# Altium PCB UltraZohm_ADC.PcbDoc (part 2 of 4)
Units mil, origin at the board's own origin, x right, y up, seen from the top; angles counter-clockwise.
Board outline 6141.69 x 3937.01 mil, 4 copper layers (Top Layer, GND, VCC, Bottom Layer), stack 30.634 mil thick; 408 components, 185 nets, 1136 pads, 511 vias.
Unrouted connection lines stored in the file: 7.
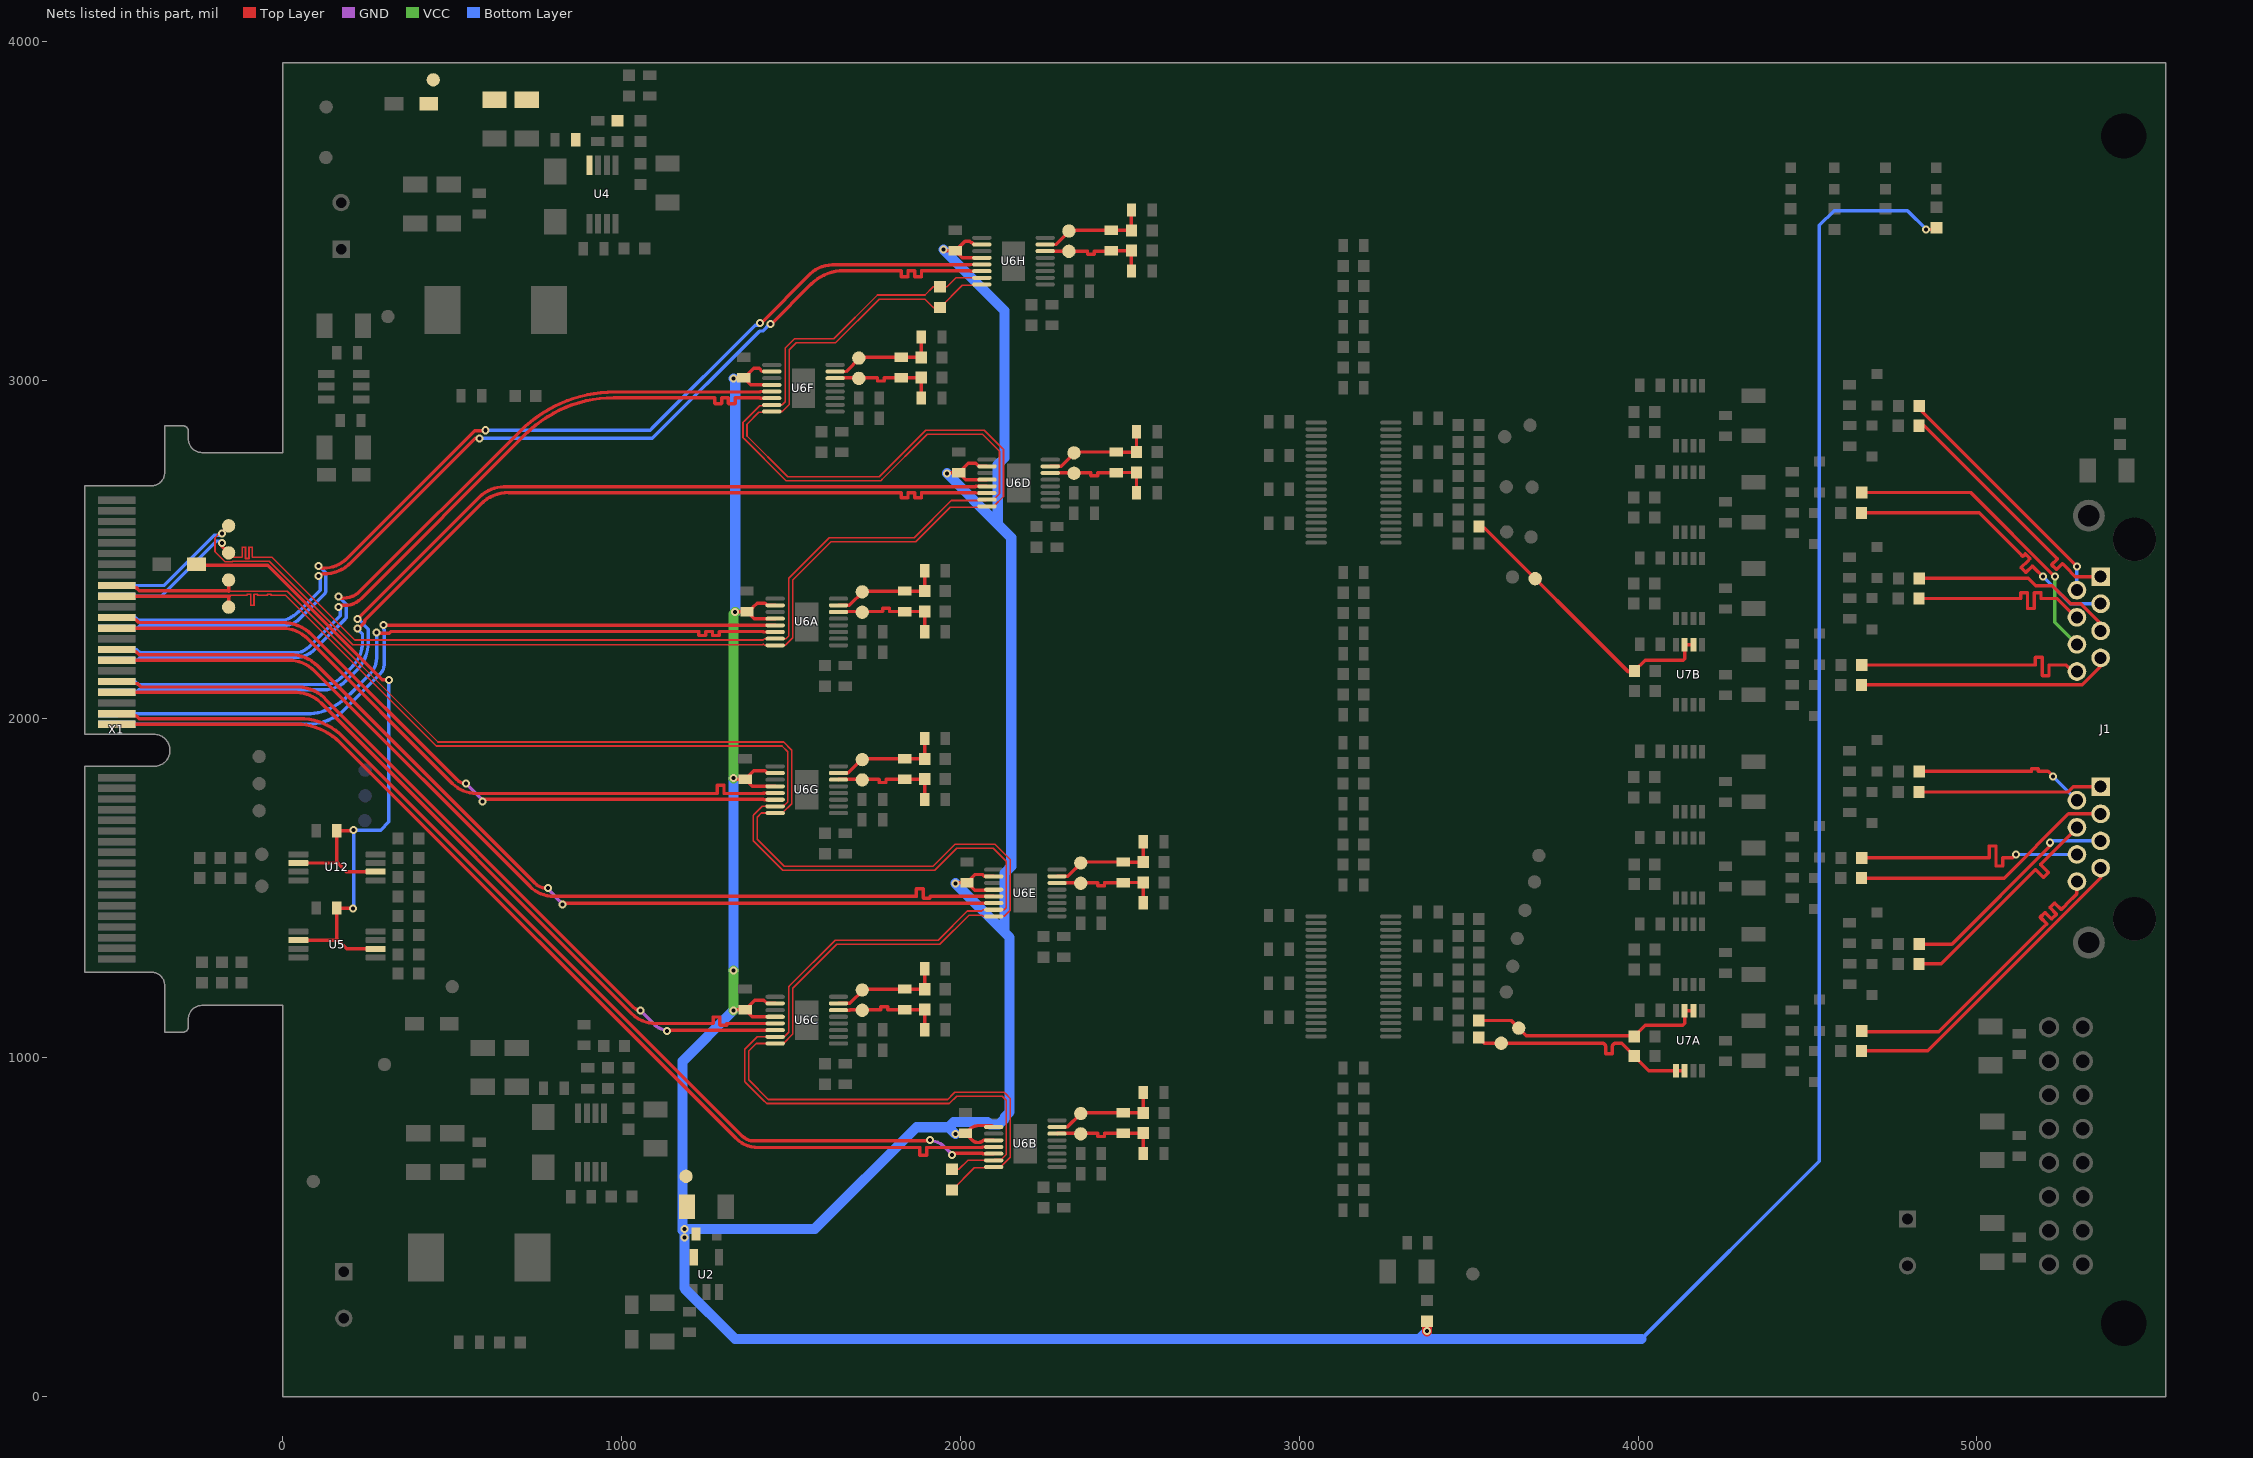
[diagram p4: the nets of this part, all layers, seen from the top]

## Footprints (in the part's own frame and the unit in brackets; to place one, negate y for a bottom-side part, rotate by r counter-clockwise, add the part's x,y. Pads: shape width x height; smd on the part's side, far side on the other; paste and mask are expansions set on the pad) (continued)
TSSOP50P510X110_HS-17N [mm] "TSSOP, 16-Leads, Body 4,03x3,00mm, Pitch 0,50mm, Thermal Pad 2,95x1,75mm, IPC Medium Density"
  oval 1.45x0.305 smd: 1(-2.375,1.75) 2(-2.375,1.25) 3(-2.375,0.75) 4(-2.375,0.25) 5(-2.375,-0.25) 6(-2.375,-0.75) 7(-2.375,-1.25) 8(-2.375,-1.75) 9(2.375,-1.75) 10(2.375,-1.25) 11(2.375,-0.75) 12(2.375,-0.25) 13(2.375,0.25) 14(2.375,0.75) 15(2.375,1.25) 16(2.375,1.75)
  rect 1.75x2.95 smd: 17(0,0)
  silkscreen extent -2.5,-2.08 1.15,2.58, body extent -1.55,-2.1 1.55,2.1, height 1.1
WCAP-ATG5_8X11.5X3.5 [mm] "Aluminum Electrolytic Capacitors, 8x11.5mm"
  rect 1.3x1.3 hole 0.8: 1(1.75,0)
  round 1.3 hole 0.8: 2(-1.75,0)
  silkscreen extent -4,-4 4,4, body extent -3.99,-4 4,4, height 11.81
WCAP-ATG5_8x11.5x3.5 [mm] "Aluminum Electrolytic Capacitors, 8x11.5mm"
  rect 1.3x1.3 hole 0.8: 1(1.75,0)
  round 1.3 hole 0.8: 2(-1.75,0)
  silkscreen extent -4,-4 4,4, body extent -3.99,-4 4,4, height 11.81
"WE-CBF_0805_HIGH CURRENT" [mm] "SMD EMI Suppression Ferrite  Bead, body 2.0mmx1.2mm"
  rect 1.4x1 smd: 1(-1.3,0) 2(1.3,0)
  silkscreen extent -2.25,-0.75 2.25,0.75, body extent -1,-0.6 1,0.6, height 0.93
"WE-CBF_0805_High Current" [mm] "SMD EMI Suppression Ferrite  Bead, body 2.0mmx1.2mm"
  rect 1.4x1 smd: 1(-1.3,0) 2(1.3,0)
  silkscreen extent -2.25,-0.75 2.25,0.75, body extent -1,-0.6 1,0.6, height 0.93
WL-SMCW_0603 [mm] "SMD Mono-color Chip LED, body 1.6x0.8mm"
  rect 0.8x0.8 smd: 1(-0.8,0) 2(0.8,0)
  silkscreen extent -1.59,-0.7 1.45,0.65, body extent -0.8,-0.4 0.8,0.4, height 0.7

## Part data
C1 C58: library part Cap_0603, Dielectric=X7R, MPN=885012206065, Package=0603, Supplier Part Number 1=710-885012206065, Voltage=25V, Supplier 1=Mouser
  C1: MF=Würth
  C58: MF="Würth Elektronik", Supplier 2=Digi-Key, Supplier Part Number 2=732-7983-1-ND
C2: library part Cap_0603, Dielectric=C0G, MPN=C0603C752J3GACTU, Package=0603, Supplier Part Number 1=80-C0603C752J3GACTU, Voltage=25V, MF=KEMET, Supplier 1=Mouser
C3 C4 C11 C15 C35 C37 C43: "Capacitor 1206", Dielectric=X5R, MPN=GRM319R6YA106KA12D, Package=1206, Supplier Part Number 1=81-GRM319R6YA106KA2D, Tolerance=10%, Voltage=35V, Created=2018_06_25_AGeiger, MF="Murata Electronics", Supplier 1=Mouser
C5 C7 C12 C13 C16 C17 C21 C22 C25 C27A C27B C27C C27D C27E C27F C27G C27H C41 C46A C46B C47A C47B C48A C48B C49A C49B C50A C50B C51A C51B C52A C52B C53A C53B C54A C54B C55A C55B C56A C56B C57A C57B C82 C83: library part Cap_0603, Dielectric=X7R, MPN=885012206071, Package=0603, Supplier Part Number 1=710-885012206071, Voltage=25V, MF=Würth, Supplier 1=Mouser
C6: "Capacitor 1206", Dielectric=C0G, MPN=GRM3195C1H273JA01D, Package=1206, Supplier Part Number 1=81-GRM315C1H273JA01D, Tolerance=5%, Voltage=50V, Created=2018_06_25_AGeiger, MF=Murata, Supplier 1=Mouser
C8 C9: "Capacitor 1206", Dielectric=X5R, MPN=GRM31CR61A476ME15L, Package=1206, Supplier Part Number 1=81-GRM31CR61A476ME5L, Tolerance=10%, Voltage=10V, Created=2018_06_25_AGeiger, MF="Murata Electronics", Supplier 1=Mouser
C10 C24 C73 C74: library part Cap_0603, Dielectric=X5R, MPN=GRT188R61H105KE13D, Package=0603, Supplier Part Number 1=81-GRT188R61H105KE3D, Voltage=50V, MF="Murata Electronics", Supplier 1=Mouser, Supplier 2=Digi-Key, Supplier Part Number 2=490-12330-1-ND
C14 C18 C26: "Capacitor 1206", Dielectric=X5R, MPN=GRM31CR61A476ME5L, Package=1206, Supplier Part Number 1=81-GRM31CR61A476ME5L, Tolerance=10%, Voltage=10V, Created=2018_06_25_AGeiger, MF="Murata Electronics", Supplier 1=Mouser
C19 C20: library part 860020574012, "WCAP-ATG5 Aluminum Electrolytic Capacitors, 8x11.5mm, 35 Vdc, 220 uF", Operating Temperature="-40 °C up to +105 °C", Supplier Part Number 1=710-860020574012, Voltage=35V, ComponentLink1Description=Manufacturer, ComponentLink1URL=http://www.we-online.de, ComponentLink2Description=Datasheet, ComponentLink2URL=http://katalog.we-online.com/pbs/datasheet/860020574012.pdf, Life Cycle=2000h, MF="Wurth Elektronik", MPN=860020574012, Part Number=860020574012, Published Date="Sep. 2017", Size=8x11.5mm, Supplier 1=Mouser
C23A C23B C75A C75B C76A C76B C77A C77B C78A C78B C79A C79B C80A C80B C81A C81B: library part Cap_0603, MPN=885012006057, Supplier Part Number 1=710-885012006057, Voltage=50V, MF="Würth Elektronik", Supplier 1=Mouser
C28A C28B C28C C28D C28E C28F C28G C28H C30A C30B C30C C30D C30E C30F C30G C30H: library part Cap_0603, Dielectric=X5R, MPN=JMK107ABJ106KA-T, Package=0603, Supplier Part Number 1=963-JMK107ABJ106KA-T, Voltage=6.3V, MF="Taiyo Yuden", Supplier 1=Mouser
C29A C29B C29C C29D C29E C29F C29G C29H: library part Cap_0603, Dielectric=X7R, MPN=LMK107B7105KA-T, Package=0603, Supplier Part Number 1=963-LMK107B7105KA-T, Voltage=10V, MF="Taiyo Yuden", Supplier 1=Mouser
C31A C31B C31C C31D C31E C31F C31G C31H C33A C33B C33C C33D C33E C33F C33G C33H: library part Cap_0603, Dielectric=C0G, MPN=VJ0603A681GXJCW1BC, Package=0603, Supplier Part Number 1=77-VJ0603A681GXJCW1BC, Voltage=16V, MF=Vishay, Supplier 1=Mouser
C32A C32B C32C C32D C32E C32F C32G C32H: library part Cap_0603, Dielectric=C0G, MPN=VJ0603A471GXJPW1BC, Package=0603, Supplier Part Number 1=77-VJ0603A471GXJPW1BC, Voltage=16V, MF=Vishay, Supplier 1=Mouser
C34A C34B C36A C36B C38A C38B C39A C39B C40A C40B C42A C42B C44A C44B C45A C45B: library part Cap_0603, Dielectric=C0G, MPN=VJ0603A560JXACW1BC, Package=0603, Supplier Part Number 1=77-VJ0603A560JXACBC, Voltage=50V, MF=Vishay, Supplier 1=Mouser
C59: library part Cap_0603, Dielectric=C0G, MPN=C0603C752J3GACTU, Package=0603, possibleValue=7.5nF, Supplier Part Number 1=80-C0603C752J3GACTU, Tolerance=5%, Voltage=25V, MF=KEMET, Supplier 1=Mouser
C60A C60B C61A C61B C62A C62B C63A C63B: library part Cap_0603, MPN=885012206071, Package=0603, Supplier Part Number 1=710-885012206071, Voltage=25V, MF=Würth, Supplier 1=Mouser
C64: "Capacitor 1206", Dielectric=C0G, MPN=885342008009, Package=1206, Supplier Part Number 1=710-885342008009, Tolerance=5%, Voltage=1000V, Created=2018_06_25_AGeiger, MF="Wurth Elektronik", Supplier 1=mouser
C65 C66: library part C_1206, "Capacitor 1206", Dielectric=X6S, MPN=GRT31CC8YA106KE01L, Package=1206, Supplier Part Number 1=81-GRT31CC8YA106KE1L, Tolerance=10%, Voltage=35V, MF="Murata Electronics", Supplier 1=Mouser
C67: library part Cap_0603, Dielectric=X7R, MPN=GMK107B7104KAHT, Package=0603, Supplier Part Number 1=963-GMK107B7104KAHT, Tolerance=10%, Voltage=35V, MF="Taiyo Yuden", Supplier 1=Mouser, Supplier 2=Digi-Key, Supplier Part Number 2=587-3354-1-ND
C68: library part Cap_0603, Dielectric=X7R, MPN=885012206071, Package=0603, Supplier Part Number 1=710-885012206071, Tolerance=10%, Voltage=25V, MF="Würth Elektronik", Supplier 1=Mouser
C69 C70: library part C_1206, "Capacitor 1206", Dielectric=X5R, MPN=GRM31CR61A476ME15L, Package=1206, Supplier Part Number 1=81-GRM31CR61A476ME5L, Tolerance=20%, Voltage=10V, MF="Murata Electronics", Supplier 1=Mouser
C71: library part 860020574012, "WCAP-ATG5 Aluminum Electrolytic Capacitors, 8x11.5mm, 35 Vdc, 220 uF", Operating Temperature="-40 °C up to +105 °C", Supplier Part Number 1=710-860020574012, Voltage="35 Vdc", ComponentLink1Description=Manufacturer, ComponentLink1URL=http://www.we-online.de, ComponentLink2Description=Datasheet, ComponentLink2URL=http://katalog.we-online.com/pbs/datasheet/860020574012.pdf, Life Cycle=2000h, MF="Würth Elektronik", MPN=860020574012, Part Number=860020574012, Size=8x11.5mm, Supplier 1=Mouser
C72: library part C_1206, "Capacitor 1206", Dielectric=C0G, MPN=GRM3195C1H273JA01D, Package=1206, possibleValue=0.027µF, Supplier Part Number 1=81-GRM315C1H273JA01D, Tolerance=5%, Voltage=50V, MF="Murata Electronics", Supplier 1=Mouser
D1 D5: "Schottky Diode", Forward Voltage=750mV, MPN=BYS12-90-E3/TR3, Package=DO-214AC, Rated Current=1.5A, Reverse Voltage=90V, Supplier Part Number 1=2889144, MF=Vishay, Supplier 1=Farnell, Supplier 2=Mouser, Supplier 3=Digi-Key, Supplier Part Number 2=625-BYS12-90-E3/TR3, Supplier Part Number 3=BYS12-90-E3/GICT-ND
D2: library part LED_Blue_0603, "WL-SMCW SMD Mono-color Chip LED Waterclear, size 0603, Blue, 3.2 V, 140°", Emitting Color=Blue, Forward Voltage="3.2 V", Package=0603, Supplier Part Number 1=2322069, ComponentLink1Description=Manufacturer, ComponentLink1URL=http://www.we-online.de, ComponentLink2Description=Datasheet, ComponentLink2URL=http://katalog.we-online.com/led/datasheet/150060BS75000.pdf, Created=2018_09_06_AGeiger, Dominant Wavelength="470 nm", Luminous Intensity="145 mcd", MF="Wuerth Elektronik", MPN=150060BS75000, Peak Wavelength="465 nm", Published Date="Sep. 2017", Size=0603, Supplier 1=Farnell, Supplier 2=Mouser, Supplier 3=Digi-Key, Supplier Part Number 2=710-150060BS75000, Supplier Part Number 3=732-4966-1-ND, Viewing Angle=140°
D3: library part LED_Green_0603, "WL-SMCW SMD Mono-color Chip LED Waterclear, size 0603, Green, 3.2 V, 140°", Emitting Color=Green, Forward Voltage="3.2 V", Package=0603, Supplier Part Number 1=2322070, ComponentLink1Description=Manufacturer, ComponentLink1URL=http://www.we-online.de, ComponentLink2Description=Datasheet, ComponentLink2URL=http://katalog.we-online.com/led/datasheet/150060GS75000.pdf, Created=2018_09_06_AGeiger, Dominant Wavelength="520 nm", Luminous Intensity="430 mcd", MF="Wuerth Elektronik", MPN=150060GS75000, Peak Wavelength="515 nm", Published Date="Sep. 2017", Size=0603, Supplier 1=Farnell, Supplier 2=Mouser, Supplier 3=Digi-Key, Supplier Part Number 2=710-150060GS75000, Supplier Part Number 3=732-4971-1-ND, Viewing Angle=140°
D4: library part LED_Red_0603, "WL-SMCW SMD Mono-color Chip LED Waterclear, size 0603, Red, 2 V, 140°", Emitting Color=Red, Forward Voltage="2 V", Package=0603, Supplier Part Number 1=2322071, ComponentLink1Description=Manufacturer, ComponentLink1URL=http://www.we-online.de, ComponentLink2Description=Datasheet, ComponentLink2URL=http://katalog.we-online.com/led/datasheet/150060RS75000.pdf, Created=2018_09_06_AGeiger, Dominant Wavelength="625 nm", Luminous Intensity="250 mcd", MF="Wuerth Elektronik", MPN=150060RS75000, Peak Wavelength="630 nm", Published Date="Sep. 2017", Size=0603, Supplier 1=Farnell, Supplier 2=Mouser, Supplier 3=Digi-Key, Supplier Part Number 2=710-150060RS75000, Supplier Part Number 3=732-4978-1-ND, Viewing Angle=140°
D6A D6B D7A D7B D8A D8B D9A D9B D10A D10B D11A D11B D12A D12B D13A D13B: library part GBLCxx, "Ultra Low Capacitance TVS Array", breakdown voltage=6.0V, MPN=GBLC05CI-LF-T7, Package=SOD-323, standoff voltage=5.0V, ComponentLink1Description=Datasheet, ComponentLink1URL=https://static6.arrow.com/aropdfconversion/cf1b73a38d87e210bfa153441e03466b149f09ba/gblci.pdf, MF="ProTek Devices", Model=GBLC05CI, Supplier 1=arrow, Supplier 2=futureelectronics
D14: library part LED_YELLOW_0603, "WL-SMCW SMD Mono-color Chip LED Waterclear, size 0603, Yellow, 2 V, 140°", Emitting Color=Yellow, Forward Voltage=2V, Package=0603, Supplier Partnumber=710-150060YS75020, MF="Wuerth Elektronik", MPN=150060YS75020, Peack Wavelength="595 nm", Supplier=Mouser
J1: "Modular Jack WR-MJ, Tab Up, Shielded, Dual Port, Righ Angle, THT, 8P8C", Contact Resistance="20 mOhm", Operating Temperature="-40 to 85 degC", Rated Current="1.5 A", Supplier Part Number 1=523-RJHSE-5380-02, Withstanding Voltage="1000 VAC", Working Voltage="120 VAC", Compliance="Lead free / RoHS", ComponentLink1Description=Manufacturer, ComponentLink1URL=http://www.we-online.de, ComponentLink2Description=Datasheet, ComponentLink2URL=https://katalog.we-online.de/em/datasheet/615016137621.pdf, Entrance="Right Angle", MF=Amphenol, Mounting Technology=THT, MPN=RJHSE-5380-02, Packaging=Tray, Pin Number=8P8C, Port=1x2, Published Date="July 2018", Supplier 1=Mouser
L1 L3 L4 L7: library part "WE-CBF, 742792040", "WE-CBF SMD EMI Suppression Ferrite Bead, 0805, 600O", MPN=742792040, Supplier Part Number 1=2761567, ComponentLink1Description=Manufacturer, ComponentLink1URL=http://www.we-online.de, ComponentLink2Description=Datasheet, ComponentLink2URL=http://katalog.we-online.de/pbs/datasheet/742792040.pdf, MF="Wurth Elektronik", PublishedDate="Aug 2016", Size=0805, Supplier 1=Farnell, Supplier 2=Mouser, Supplier 3=Digi-Key, Supplier Part Number 2=710-742792040, Supplier Part Number 3=732-1620-1-ND, Type="High Current"
L2 L6: library part B82464G4154M, "SMT power Inductor, 150uH, 320m DRC", Rated Current="0.85 A", Supplier Part Number 1=871-B82464G4154M, Tolerance=20%, DCR=320m, MF="EPCOS / TDK", MPN=B82464G4154M, Supplier 1=Mouser
L5: library part "WE-CBF, 742792040", "WE-CBF SMD EMI Suppression Ferrite Bead, 0805, 600O", MPN=742792040, Supplier Part Number 1=1635735, ComponentLink1Description=Manufacturer, ComponentLink1URL=http://www.we-online.de, ComponentLink2Description=Datasheet, ComponentLink2URL=http://katalog.we-online.de/pbs/datasheet/742792040.pdf, MF="Würth Elektronik", Size=0805, Supplier 1=Farnell, Supplier 2=Mouser, Supplier 3=Digi-Key, Supplier Part Number 2=710-742792040, Supplier Part Number 3=732-1620-1-ND, Type="High Current"
Logo1: library part Logos, "Logos of TUM, Ohm, Santiago"
MH1 MH2: library part "Mounting Hole", "Non plated through hole, 3.4mm"
ProjectName: "Project Name and Revision Number", Created=2018_11_23_AGeiger
R1 R2: library part R_0603, MPN=CRCW0603100RFKEAC, Package=0603, Supplier Part Number 1=71-CRCW0603100RFKEAC, MF="Vishay / Dale", Supplier 1=Mouser
R3 R4 R5 R6 R14A R14B R14C R14D R14E R14F R14G R14H R15A R15B R16A R16B R18A R18B R19A R19B R21A R21B R24A R24B R26A R26B R27A R27B R58 R59: library part R_0603, MPN=CRCW06030000Z0EBC, Package=0603, Supplier Part Number 1=71-CRCW06030000Z0EBC, MF="Vishay / Dale", Supplier 1=Mouser
R7 R38: library part R_0603, MPN=CR0603-FX-1623ELF, Package=0603, Supplier Part Number 1=652-CR0603-FX1623ELF, MF=Bourns, Supplier 1=Mouser
R8: library part R_0603, MPN=AC0603FR-1375KL, Package=0603, Supplier Part Number 1=603-AC0603FR-1375KL, MF=Yageo, Supplier 1=Mouser
R9 R41: library part R_0603, MPN=CR0603-FX-1101ELF, Package=0603, Supplier Part Number 1=652-CR0603FX-1101ELF, Tolerance=1%, MF=Bourns, Supplier 1=Mouser
R10 R47: library part R_0603, MPN=CR0603-FX-1333ELF, Package=0603, Supplier Part Number 1=652-CR0603FX-1333ELF, MF=Bourns, Supplier 1=Mouser
R11 R46: library part R_0603, MPN=CR0603-FX-1021ELF, Package=0603, Supplier Part Number 1=652-CR0603FX-1021ELF, Tolerance=1%, MF=Bourns, Supplier 1=Mouser
R12A R12B R12C R12D R12E R12F R12G R12H R13A R13B R13C R13D R13E R13F R13G R13H: library part R_0603, MPN=RC0603FR-1324R9L, Package=0603, Supplier Part Number 1=603-RC0603FR-1324R9L, MF=Yageo, Supplier 1=Mouser
R17A R17B R20A R20B R23A R23B R25A R25B R28 R29A R29B R30A R30B R32A R32B R33 R34A R34B R37A R37B R40A R40B R43A R43B R45A R45B R49A R49B R50A R50B R52A R52B R54A R54B: library part R_0603, MPN=CRCW06031K00JNEAC, Package=0603, Supplier Part Number 1=71-CRCW06031K00JNEAC, MF="Vishay / Dale", Supplier 1=Mouser
R22A R22B R31A R31B R42A R42B R51A R51B: "WID SMD 1M 5% 0,25W", Case=1206, MPN=APC1206B200RN, Supplier Part Number 1=284-APC1206B200RN, Tolerance=5%, AN=22757, Created=2018_07_20_AGeiger, MF=AECOL/Ohmite, Mixed=SMT, Preferred=Yes, Supplier 1=Mouser, Technology=TK100
R35: library part R_0603, MPN=CRCW06031M00FKEAC, Supplier Part Number 1=71-CRCW06031M00FKEAC, Tolerance=1%, MF="Vishay / Dale", Supplier 1=mouser
R36 R44: library part R_0603, Package=0603
R39: library part R_0603, MPN=AC0603FR-1375KL, Package=0603, possibleValue=75k, Supplier Part Number 1=603-AC0603FR-1375KL, MF=Yageo, Supplier 1=Mouser
R48 R53 R57 R60 R61 R62 R63 R64: library part R_0603, MPN=RT0603BRD0740R2L, Supplier Part Number 1=603-RT0603BRD0740R2L, Tolerance=0.1%, MF=Yageo, Supplier 1=Mouser
R55: library part R_0603, MPN=CRCW060320K0JNEAC, Package=0603, Supplier Part Number 1=71-CRCW060320K0JNEAC, MF="Vishay / Dale", Supplier 1=Mouser
R56: library part R_0603, MPN=CRCW06034K70JNEAC, Package=0603, Supplier Part Number 1=71-CRCW06034K70JNEAC, MF="Vishay / Dale", Supplier 1=Mouser
R65A R65B R66A R66B R67A R67B R68A R68B R69A R69B R70A R70B R71A R71B R72A R72B: library part R_0603, MPN=AC0603FR-13100RL, Package=0603, Supplier Part Number 1=603-AC0603FR-13100RL, Tolerance=1%, MF=Yageo, Supplier 1=Mouser
R73: library part R_0603, MPN=RCS06036K04FKEA, Package=0603, Supplier Part Number 1=71-RCS06036K04FKEA, MF="Vishay / Dale", Supplier 1=Mouser
TP1 TP2 TP3 TP4 TP5 TP6 TP7 TP8 TP9 TP10 TP11 TP12 TP13 TP14 TP15 TP16 TP17 TP18 TP19 TP20A TP20B TP20C TP20D TP20E TP20F TP20G TP20H TP21A TP21B TP21C TP21D TP21E TP21F TP21G TP21H TP22 TP23 TP24A TP24B TP25A TP25B TP26A TP26B TP27A TP27B TP28A TP28B TP29A TP29B TP30A TP30B TP31A TP31B: "Testpoint 1mm", Created=2018_06_25_AGeiger
U1: "Buck Converter, 9-75Vin, 2.5-73Vout", MPN=LM5007MM/NOPB, Package=VSSOP-8, Supplier Part Number 1=9779345, MF="Texas Instruments", Supplier 1=Farnell, Supplier 2=Mouser, Supplier 3=Digi-Key, Supplier Part Number 2=926-LM5007MM/NOPB, Supplier Part Number 3=LM5007MM/NOPBCT-ND
U2: "150mA, 2.5V LDO", MPN=TLV74125PDBVR, Package=SOT-23-5, Supplier Part Number 1=595-TLV74125PDBVR, MF="Texas Instruments", Supplier 1=Mouser, Supplier 2=Digi-Key, Supplier Part Number 2=296-49999-1-ND
U3: MPN=LT6654AIS6-5#TRMPBF, Package=TSOT-23-6, Supplier Part Number 1=2761960, MF="Analog Devices", Supplier 1=Farnell, Supplier 2=Mouser, Supplier 3=Digi-Key, Supplier Part Number 2=584-6654AIS65TRMPBF, Supplier Part Number 3=LT6654AIS6-5#TRMPBFCT-ND
U4: "Buck Converter, 9-75Vin, 2.5-73Vout", MPN=LM5007MM/NOPB, Package=VSSOP-8, Supplier Part Number 1=3007210, MF="Texas Instruments", Supplier 1=Farnell, Supplier 2=Mouser, Supplier 3=Digi-Key, Supplier Part Number 2=926-LM5007MM/NOPB, Supplier Part Number 3=296-LM5007MM/NOPBCT-ND
U5 U12: library part CDCLVC1104PWR, "Clock Fanout Buffer 4-OUT 8-Pin TSSOP T/R", Case/Package=TSSOP, Frequency=250MHz, Manufacturer="Texas Instruments", Max Operating Temperature=85°C, Max Supply Voltage=3.6V, Min Operating Temperature=-40°C, Min Supply Voltage=2.3V, Package Quantity=2000, Supplier Part Number 1=595-CDCLVC1104PWR, ComponentLink1Description=http://www.ti.com/lit/pdf/slyb191?src-supplier=Digi-Key, ComponentLink1URL=http://www.ti.com/lit/pdf/slyb191?src-supplier=Digi-Key, ComponentLink2Description=http://www.ti.com/general/docs/lit/getliterature.tsp?genericPartNumber=CDCLVC1104&&fileType=pdf&src-supplier=Avnet, ComponentLink2URL=http://www.ti.com/general/docs/lit/getliterature.tsp?genericPartNumber=CDCLVC1104&&fileType=pdf&src-supplier=Avnet, Contact Plating=Gold, Input=LVCMOS, Lead Free="Lead Free", Manufacturer Part Number=CDCLVC1104PWR, Max Frequency=250MHz, Mount="Surface Mount", Number of Circuits=1, Number of Outputs=4, Number of Pins=8, Packaging="Tape and Reel", Propagation Delay=2ns, Radiation Hardening=No, REACH SVHC="No SVHC", Stock 1=5442, Supplier 1=Mouser, Turn-On Delay Time=10ns, Weight=0.005573oz
U6A U6B U6C U6D U6E U6F U6G U6H: library part LTC2311-16, "16 Bit SAR ADC, 5MSps", MPN=LTC2311CMSE-16#PBF, Package=MSOP-16, Supplier Part Number 1=584-C2311CMSE-16PBF, MF="Analog Devices", Supplier 1=Mouser, Supplier 2=Digi-Key, Supplier Part Number 2=LTC2311CMSE-16#PBF-ND
U7A U7B U9A U9B U10A U10B U11A U11B: library part LT6203_MSOP8, "2 Ch Low Noise, Low Power OpAmp", MPN=LT6203CMS8#PBF, Package=MSOP-8, Supplier Part Number 1=584-LT6203CMS8#PBF, Created=Kreppel_20190830, MF="Linear Technology", Supplier 1=Mouser
U8A U8B: "Quad Channel fully differential Amplilfier", Package=TSSOP-38, Supplier Part Number 1=595-THS4524IDBTR, Created=20190720_Kreppel, MF="Texas Instruments", MPN=THS4524, Supplier 1=Mouser
X1: "Mating Card Layout for HSEC8-140-01-XX-DV-A-BL", Manufacturer=SAMTEC, Created=2018_04_23_AGeiger
X2: library part IPL1-108-XX-X-D-X, "2.54mm Double Row Terminal Assembly", Supplier Part Number 1=200-IPL110801LDRAK, Created=2018_09_17_AGeiger, MF=SAMTEC, MPN=CurrentFootprint, Supplier 1=Mouser
Serial1: Created=2018_09_18_AGeiger
